# Altium PCB GE21_M1_pku_f100.PcbDoc (part 2 of 19) (continued)
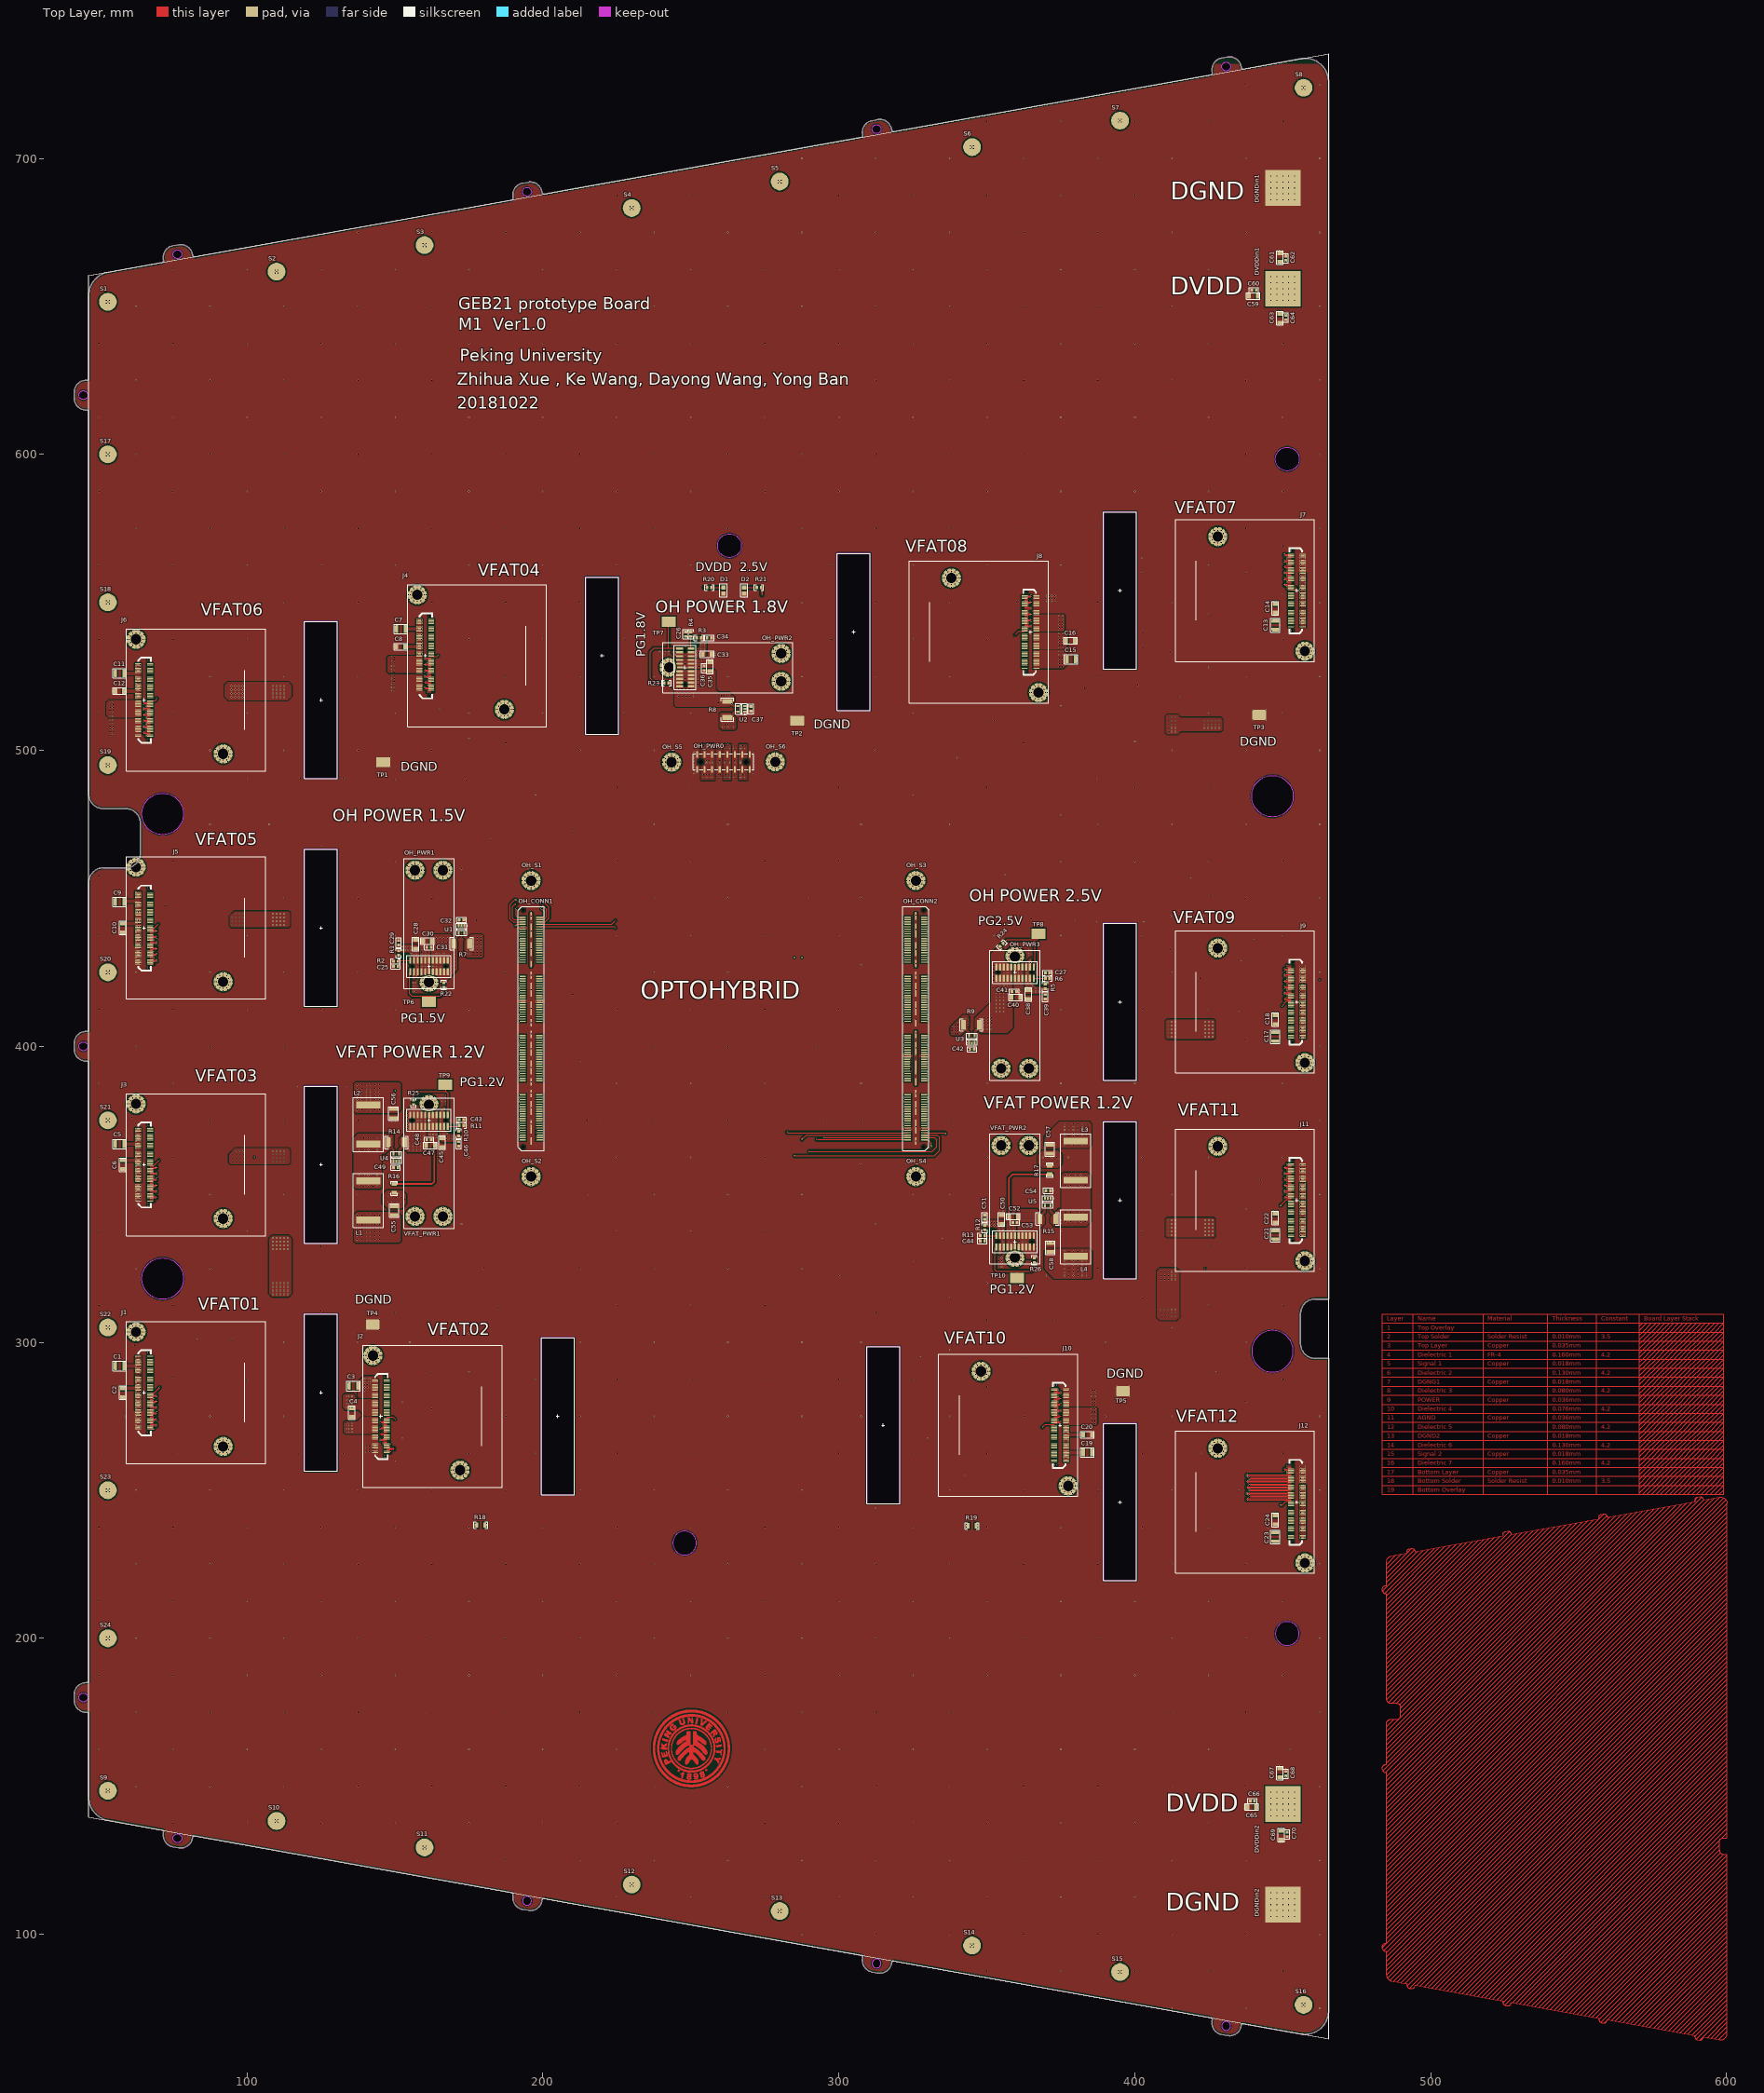
[diagram p0: Top Layer view]
## Nets (pads, with @x,y where several pads share a name; then routed paths per layer and width w, separated by ;. In a path a pad name is that pad's centre, name@x,y a point inside that pad or via, vN(x,y) a via of type N, cw(c..) or ccw(c..) an arc to the next point about the centre after c; other vN are vias at no path point) (continued)
  other v4: 68.57,270.7
  other v6: 192,368.4
J1CLK_P: J1.98 OH_CONN1.158 | length 234.6
  Top Layer w0.115: v4@68.379,271.25 ccw(c68.379,271.421) v5(68.5,271.3)
  Top Layer w0.25: J1.98@67.25,271.25 v4@68.379,271.25
  Signal 1 w0.115: v5(68.5,271.3) ccw(c68.802,271.602) 68.802,271.175 75.628,271.175 ccw(c75.628,273.715) 77.424,271.919 117.659,312.154 cw(c119.702,310.11) 119.702,313 158.596,313 ccw(c158.596,313.208) 158.804,313.208 158.804,313.699 cw(c159.362,313.699) 159.362,314.257 159.554,314.257 cw(c159.554,313.699) 160.112,313.699 160.112,311.951 ccw(c160.32,311.951) 160.32,311.743 160.512,311.743 ccw(c160.512,311.951) 160.72,311.951 160.72,313.699 cw(c161.278,313.699) 161.278,314.257 161.47,314.257 cw(c161.47,313.699) 162.028,313.699 162.028,311.951 ccw(c162.236,311.951) 162.236,311.743 162.428,311.743 ccw(c162.428,311.951) 162.636,311.951 162.636,313.699 cw(c163.194,313.699) 163.194,314.257 163.386,314.257 cw(c163.386,313.699) 163.944,313.699 163.944,311.951 ccw(c164.152,311.951) 164.152,311.743 164.344,311.743 ccw(c164.344,311.951) 164.552,311.951 164.552,313.699 cw(c165.11,313.699) 165.11,314.257 165.302,314.257 cw(c165.302,313.699) 165.86,313.699 165.86,311.951 ccw(c166.068,311.951) 166.068,311.743 166.26,311.743 ccw(c166.26,311.951) 166.468,311.951 166.468,313.699 cw(c167.026,313.699) 167.026,314.257 167.218,314.257 cw(c167.218,313.699) 167.776,313.699 167.776,311.951 ccw(c167.984,311.951) 167.984,311.743 168.176,311.743 ccw(c168.176,311.951) 168.384,311.951 168.384,313.699 cw(c168.942,313.699) 168.942,314.257 169.134,314.257 cw(c169.134,313.699) 169.692,313.699 169.692,311.951 ccw(c169.9,311.951) 169.9,311.743 170.092,311.743 ccw(c170.092,311.951) 170.3,311.951 170.3,313.699 cw(c170.858,313.699) 170.858,314.257 171.05,314.257 cw(c171.05,313.699) 171.608,313.699 171.608,311.951 ccw(c171.816,311.951) 171.816,311.743 172.008,311.743 ccw(c172.008,311.951) 172.216,311.951 172.216,313.699 cw(c172.774,313.699) 172.774,314.257 172.966,314.257 cw(c172.966,313.699) 173.524,313.699 173.524,311.951 ccw(c173.732,311.951) 173.732,311.743 173.924,311.743 ccw(c173.924,311.951) 174.132,311.951 174.132,313.699 cw(c174.69,313.699) 174.69,314.257 174.882,314.257 cw(c174.882,313.699) 175.44,313.699 175.44,311.951 ccw(c175.648,311.951) 175.648,311.743 175.84,311.743 ccw(c175.84,311.951) 176.048,311.951 176.048,312.442 cw(c176.606,312.442) 176.606,313 181.11,313 ccw(c181.11,315.54) 183.65,315.54 183.65,366.085 cw(c186.54,366.085) 186.54,368.975 191.457,368.975 ccw(c191.457,369.743) v6@192,369.2
  other v4: 68.57,271.3
  other v6: 192,369.2
J1D1_N: J1.60 OH_CONN1.120 | length 208.8
  Top Layer w0.115: v4@68.379,280.75 cw(c68.379,280.579) v5(68.5,280.7)
  Top Layer w0.25: J1.60@67.25,280.75 v4@68.379,280.75
  Signal 2 w0.115: v5(68.5,280.7) cw(c68.802,280.398) 68.802,280.825 70.628,280.825 ccw(c70.628,283.715) 72.671,281.671 85.154,294.154 ; 85.154,294.154 ccw(c83.11,296.197) 86,296.197 86,317.448 cw(c88.54,317.448) 86.744,319.244 95.256,327.756 cw(c97.052,325.96) 97.052,328.5 166.803,328.5 ccw(c166.803,331.39) 168.846,329.346 ; 168.846,329.346 181.154,341.654 ccw(c179.11,343.697) 182,343.697 182,386.085 cw(c184.54,386.085) 184.54,388.625 189.875,388.625 ; 189.6,388.625 191.457,388.625 cw(c191.457,387.857) v6(192,388.4)
  other v4: 68.57,280.7
J1D1_P: J1.58 OH_CONN1.118 | length 208.8
  Top Layer w0.115: v4@68.379,281.25 ccw(c68.379,281.421) v5(68.5,281.3)
  Top Layer w0.25: J1.58@67.25,281.25 v4@68.379,281.25
  Signal 2 w0.115: v5(68.5,281.3) ccw(c68.802,281.602) 68.802,281.175 70.628,281.175 ccw(c70.628,283.715) 72.424,281.919 84.906,294.401 ccw(c83.11,296.197) 85.65,296.197 85.65,317.448 cw(c88.54,317.448) 86.496,319.491 95.009,328.004 cw(c97.052,325.96) 97.052,328.85 166.803,328.85 ccw(c166.803,331.39) 168.599,329.594 180.906,341.901 ccw(c179.11,343.697) 181.65,343.697 181.65,386.085 cw(c184.54,386.085) 184.54,388.975 189.875,388.975 ; 189.6,388.975 191.457,388.975 ccw(c191.457,389.743) v6(192,389.2)
  other v4: 68.57,281.3
J1D2_N: J1.64 OH_CONN1.124 | length 203.6
  Top Layer w0.115: J1.64@67.25,279.75 68.3,279.75 68.375,279.825 69.198,279.825 cw(c69.198,279.398) v5(69.5,279.7)
  Signal 2 w0.115: v5(69.5,279.7) cw(c69.802,279.398) 69.802,279.825 71.128,279.825 ccw(c71.128,282.715) 73.171,280.671 86.154,293.654 ; 86.154,293.654 ccw(c84.11,295.697) 87,295.697 87,316.948 cw(c89.54,316.948) 87.744,318.744 95.756,326.756 cw(c97.552,324.96) 97.552,327.5 167.298,327.5 ccw(c167.298,330.39) 169.341,328.346 ; 169.341,328.346 182.154,341.159 ccw(c180.11,343.202) 183,343.202 183,380.485 cw(c185.54,380.485) 185.54,383.025 191.457,383.025 cw(c191.457,382.257) v6(192,382.8)
  other v4: 69.43,279.7 69.57,279.7
J1D2_P: J1.62 OH_CONN1.122 | length 203.6
  Top Layer w0.115: J1.62@67.25,280.25 68.3,280.25 68.375,280.175 69.198,280.175 ccw(c69.198,280.602) v5(69.5,280.3)
  Signal 2 w0.115: v5(69.5,280.3) ccw(c69.802,280.602) 69.802,280.175 71.128,280.175 ccw(c71.128,282.715) 72.924,280.919 85.906,293.901 ccw(c84.11,295.697) 86.65,295.697 86.65,316.948 cw(c89.54,316.948) 87.496,318.991 95.509,327.004 cw(c97.552,324.96) 97.552,327.85 167.298,327.85 ccw(c167.298,330.39) 169.094,328.594 181.906,341.406 ccw(c180.11,343.202) 182.65,343.202 182.65,380.485 cw(c185.54,380.485) 185.54,383.375 191.457,383.375 ccw(c191.457,384.143) v6(192,383.6)
  other v4: 69.43,280.3 69.57,280.3
J1D3_N: J1.68 OH_CONN1.128 | length 202.7
  Top Layer w0.115: v4@68.379,278.75 cw(c68.379,278.579) v5(68.5,278.7)
  Top Layer w0.25: J1.68@67.25,278.75 v4@68.379,278.75
  Signal 2 w0.115: v5(68.5,278.7) cw(c68.802,278.398) 68.802,278.825 71.628,278.825 ccw(c71.628,281.715) 73.671,279.671 87.154,293.154 ccw(c85.11,295.197) 88,295.197 88,316.448 cw(c90.54,316.448) 88.744,318.244 96.256,325.756 cw(c98.052,323.96) 98.052,326.5 167.798,326.5 ccw(c167.798,329.39) 169.841,327.346 ; 169.841,327.346 183.154,340.659 ccw(c181.11,342.702) 184,342.702 184,378.885 cw(c186.54,378.885) 186.54,381.425 191.457,381.425 cw(c191.457,380.657) v6@192,381.2
  other v4: 68.57,278.7
  other v6: 192,381.2
J1D3_P: J1.66 OH_CONN1.126 | length 202.7
  Top Layer w0.115: v4@68.379,279.25 ccw(c68.379,279.421) v5(68.5,279.3)
  Top Layer w0.25: J1.66@67.25,279.25 v4@68.379,279.25
  Signal 2 w0.115: v5(68.5,279.3) ccw(c68.802,279.602) 68.802,279.175 71.628,279.175 ccw(c71.628,281.715) 73.424,279.919 86.906,293.401 ccw(c85.11,295.197) 87.65,295.197 87.65,316.448 cw(c90.54,316.448) 88.496,318.491 96.009,326.004 cw(c98.052,323.96) 98.052,326.85 167.798,326.85 ccw(c167.798,329.39) 169.594,327.594 182.906,340.906 ccw(c181.11,342.702) 183.65,342.702 183.65,378.885 cw(c186.54,378.885) 186.54,381.775 191.457,381.775 ccw(c191.457,382.543) v6@192,382
  other v4: 68.57,279.3
  other v6: 192,382
J1D4_N: J1.72 OH_CONN1.132 | length 201.9
  Top Layer w0.115: J1.72@67.25,277.75 68.3,277.75 68.375,277.825 69.198,277.825 cw(c69.198,277.398) v5(69.5,277.7)
  Signal 2 w0.115: v5(69.5,277.7) cw(c69.802,277.398) 69.802,277.825 72.128,277.825 ccw(c72.128,280.715) 74.171,278.671 88.154,292.654 ; 88.154,292.654 ccw(c86.11,294.697) 89,294.697 89,315.948 cw(c91.54,315.948) 89.744,317.744 96.756,324.756 cw(c98.552,322.96) 98.552,325.5 168.298,325.5 ccw(c168.298,328.39) 170.341,326.346 ; 170.341,326.346 184.154,340.159 ccw(c182.11,342.202) 185,342.202 185,377.285 cw(c187.54,377.285) 187.54,379.825 191.457,379.825 cw(c191.457,379.057) v6@192,379.6
  other v4: 69.43,277.7 69.57,277.7
  other v6: 192,379.6
J1D4_P: J1.70 OH_CONN1.130 | length 201.9
  Top Layer w0.115: J1.70@67.25,278.25 68.3,278.25 68.375,278.175 69.198,278.175 ccw(c69.198,278.602) v5(69.5,278.3)
  Signal 2 w0.115: v5(69.5,278.3) ccw(c69.802,278.602) 69.802,278.175 72.128,278.175 ccw(c72.128,280.715) 73.924,278.919 87.906,292.901 ccw(c86.11,294.697) 88.65,294.697 88.65,315.948 cw(c91.54,315.948) 89.496,317.991 96.509,325.004 cw(c98.552,322.96) 98.552,325.85 168.298,325.85 ccw(c168.298,328.39) 170.094,326.594 183.906,340.406 ccw(c182.11,342.202) 184.65,342.202 184.65,377.285 cw(c187.54,377.285) 187.54,380.175 191.457,380.175 ccw(c191.457,380.943) 191.459,380.175 ccw(c191.457,380.943) v6@192,380.4
  other v4: 69.43,278.3 69.57,278.3
  other v6: 192,380.4
J1D5_N: J1.76 OH_CONN1.136 | length 200.9
  Top Layer w0.115: v4@68.379,276.75 cw(c68.379,276.579) v5(68.5,276.7)
  Top Layer w0.25: J1.76@67.25,276.75 v4@68.379,276.75
  Signal 2 w0.115: v5(68.5,276.7) cw(c68.802,276.398) 68.802,276.825 72.628,276.825 ccw(c72.628,279.715) 74.671,277.671 89.154,292.154 ; 89.154,292.154 ccw(c87.11,294.197) 90,294.197 90,315.448 cw(c92.54,315.448) 90.744,317.244 97.256,323.756 cw(c99.052,321.96) 99.052,324.5 168.798,324.5 ccw(c168.798,327.39) 170.841,325.346 ; 170.841,325.346 185.154,339.659 ccw(c183.11,341.702) 186,341.702 186,375.685 cw(c188.54,375.685) 188.54,378.225 191.457,378.225 cw(c191.457,377.457) v6@192,378
  other v4: 68.57,276.7
  other v6: 192,378
J1D5_P: J1.74 OH_CONN1.134 | length 200.9
  Top Layer w0.115: v4@68.379,277.25 ccw(c68.379,277.421) v5(68.5,277.3)
  Top Layer w0.25: J1.74@67.25,277.25 v4@68.379,277.25
  Signal 2 w0.115: v5(68.5,277.3) ccw(c68.802,277.602) 68.802,277.175 72.628,277.175 ccw(c72.628,279.715) 74.424,277.919 88.906,292.401 ccw(c87.11,294.197) 89.65,294.197 89.65,315.448 cw(c92.54,315.448) 90.496,317.491 97.009,324.004 cw(c99.052,321.96) 99.052,324.85 168.798,324.85 ccw(c168.798,327.39) 170.594,325.594 184.906,339.906 ccw(c183.11,341.702) 185.65,341.702 185.65,375.685 cw(c188.54,375.685) 188.54,378.575 191.457,378.575 ccw(c191.457,379.343) v6@192,378.8
  other v4: 68.57,277.3
  other v6: 192,378.8
J1D6_N: J1.80 OH_CONN1.140 | length 200.1
  Top Layer w0.115: J1.80@67.25,275.75 68.3,275.75 68.375,275.825 69.198,275.825 cw(c69.198,275.398) v5(69.5,275.7)
  Signal 2 w0.115: v5(69.5,275.7) cw(c69.802,275.398) 69.802,275.825 73.128,275.825 ccw(c73.128,278.715) 75.171,276.671 90.154,291.654 ; 90.154,291.654 ccw(c88.11,293.697) 91,293.697 91,314.948 cw(c93.54,314.948) 91.744,316.744 97.756,322.756 cw(c99.552,320.96) 99.552,323.5 169.298,323.5 ccw(c169.298,326.39) 171.341,324.346 ; 171.341,324.346 186.154,339.159 ccw(c184.11,341.202) 187,341.202 187,374.085 cw(c189.54,374.085) 189.54,376.625 191.457,376.625 cw(c191.457,375.857) v6(192,376.4)
  other v4: 69.43,275.7 69.57,275.7
J1D6_P: J1.78 OH_CONN1.138 | length 200.1
  Top Layer w0.115: J1.78@67.25,276.25 68.3,276.25 68.375,276.175 69.198,276.175 ccw(c69.198,276.602) v5(69.5,276.3)
  Signal 2 w0.115: v5(69.5,276.3) ccw(c69.802,276.602) 69.802,276.175 73.128,276.175 ccw(c73.128,278.715) 74.924,276.919 89.906,291.901 ccw(c88.11,293.697) 90.65,293.697 90.65,314.948 cw(c93.54,314.948) 91.496,316.991 97.509,323.004 cw(c99.552,320.96) 99.552,323.85 169.298,323.85 ccw(c169.298,326.39) 171.094,324.594 185.906,339.406 ccw(c184.11,341.202) 186.65,341.202 186.65,374.085 cw(c189.54,374.085) 189.54,376.975 191.457,376.975 ccw(c191.457,377.743) v6(192,377.2)
  other v4: 69.43,276.3 69.57,276.3
J1D7_N: J1.84 OH_CONN1.144 | length 199.1
  Top Layer w0.115: v4@68.379,274.75 cw(c68.379,274.579) v5(68.5,274.7)
  Top Layer w0.25: J1.84@67.25,274.75 v4@68.379,274.75
  Signal 2 w0.115: v5(68.5,274.7) cw(c68.802,274.398) 68.802,274.825 73.628,274.825 ccw(c73.628,277.715) 75.671,275.671 91.154,291.154 ; 91.154,291.154 ccw(c89.11,293.197) 92,293.197 92,314.448 cw(c94.54,314.448) 92.744,316.244 98.256,321.756 cw(c100.052,319.96) 100.052,322.5 169.798,322.5 ccw(c169.798,325.39) 171.841,323.346 ; 171.841,323.346 187.154,338.659 ccw(c185.11,340.702) 188,340.702 188,372.485 cw(c190.54,372.485) 190.54,375.025 191.457,375.025 cw(c191.457,374.257) v6@192,374.8
  other v4: 68.57,274.7
  other v6: 192,374.8
J1D7_P: J1.82 OH_CONN1.142 | length 199.1
  Top Layer w0.115: v4@68.379,275.25 ccw(c68.379,275.421) v5(68.5,275.3)
  Top Layer w0.25: J1.82@67.25,275.25 v4@68.379,275.25
  Signal 2 w0.115: v5(68.5,275.3) ccw(c68.802,275.602) 68.802,275.175 73.628,275.175 ccw(c73.628,277.715) 75.424,275.919 90.906,291.401 ccw(c89.11,293.197) 91.65,293.197 91.65,314.448 cw(c94.54,314.448) 92.496,316.491 98.009,322.004 cw(c100.052,319.96) 100.052,322.85 169.798,322.85 ccw(c169.798,325.39) 171.594,323.594 186.906,338.906 ccw(c185.11,340.702) 187.65,340.702 187.65,372.485 cw(c190.54,372.485) 190.54,375.375 191.457,375.375 ccw(c191.457,376.143) v6@192,375.6
  other v4: 68.57,275.3
  other v6: 192,375.6
J1D8_N: J1.88 OH_CONN1.148 | length 198.5
  Top Layer w0.115: J1.88@67.25,273.75 68.3,273.75 68.375,273.825 69.198,273.825 cw(c69.198,273.398) v5(69.5,273.7)
  Signal 2 w0.115: v5(69.5,273.7) cw(c69.802,273.398) 69.802,273.825 74.128,273.825 ccw(c74.128,276.715) 76.171,274.671 92.154,290.654 ; 92.154,290.654 ccw(c90.11,292.697) 93,292.697 93,313.948 cw(c95.54,313.948) 93.744,315.744 98.756,320.756 cw(c100.552,318.96) 100.552,321.5 170.298,321.5 ccw(c170.298,324.39) 172.341,322.346 ; 172.341,322.346 188.154,338.159 ccw(c186.11,340.202) 189,340.202 189,371.425 cw(c191,371.425) 191,373.425 191.457,373.425 cw(c191.457,372.657) v6(192,373.2)
  other v4: 69.43,273.7 69.57,273.7
J1D8_P: J1.86 OH_CONN1.146 | length 198.5
  Top Layer w0.115: J1.86@67.25,274.25 68.3,274.25 68.375,274.175 69.198,274.175 ccw(c69.198,274.602) v5(69.5,274.3)
  Signal 2 w0.115: v5(69.5,274.3) ccw(c69.802,274.602) 69.802,274.175 74.128,274.175 ccw(c74.128,276.715) 75.924,274.919 91.906,290.901 ccw(c90.11,292.697) 92.65,292.697 92.65,313.948 cw(c95.54,313.948) 93.496,315.991 98.509,321.004 cw(c100.552,318.96) 100.552,321.85 170.298,321.85 ccw(c170.298,324.39) 172.094,322.594 187.906,338.406 ccw(c186.11,340.202) 188.65,340.202 188.65,371.425 cw(c191,371.425) 191,373.775 191.457,373.775 ccw(c191.457,374.543) v6@192,374
  other v4: 69.43,274.3 69.57,274.3
  other v6: 192,374
J1Reset: J1.52 OH_CONN1.6 | length 348.1
  Top Layer w0.2: J1.52@67.25,282.75 68.5,282.75 v1(70.5,284.75) ; v1(191,449.5) 190.5,449.5 189,448 189,443 190,442 OH_CONN1.6@193.135,442
  Signal 1 w0.2: v1(70.5,284.75) 70.5,305 60.75,314.75 60.75,371.75 67.5,378.5 67.5,401.25 60.5,408.25 60.5,442.5 62,444 76.75,444 78.25,445.5 78.25,468 81.25,471 169.5,471 v1(191,449.5)
J1RXD_N: J1.96 OH_CONN1.156 | length 234.6
  Top Layer w0.115: J1.96@67.25,271.75 68.3,271.75 68.375,271.825 69.198,271.825 cw(c69.198,271.398) v5(69.5,271.7)
  Signal 1 w0.115: v5(69.5,271.7) cw(c69.802,271.398) 69.802,271.825 75.128,271.825 ccw(c75.128,274.715) 77.171,272.671 120.906,316.406 cw(c122.702,314.61) 122.702,317.15 131.096,317.15 ccw(c131.096,317.708) 131.654,317.708 131.654,318.464 cw(c131.862,318.464) 131.862,318.672 132.054,318.672 cw(c132.054,318.464) 132.262,318.464 132.262,316.186 ccw(c132.82,316.186) 132.82,315.628 133.012,315.628 ccw(c133.012,316.186) 133.57,316.186 133.57,318.464 cw(c133.778,318.464) 133.778,318.672 133.97,318.672 cw(c133.97,318.464) 134.178,318.464 134.178,316.186 ccw(c134.736,316.186) 134.736,315.628 134.928,315.628 ccw(c134.928,316.186) 135.486,316.186 135.486,318.464 cw(c135.694,318.464) 135.694,318.672 135.886,318.672 cw(c135.886,318.464) 136.094,318.464 136.094,316.186 ccw(c136.652,316.186) 136.652,315.628 136.844,315.628 ccw(c136.844,316.186) 137.402,316.186 137.402,318.464 cw(c137.61,318.464) 137.61,318.672 137.802,318.672 cw(c137.802,318.464) 138.01,318.464 138.01,316.186 ccw(c138.568,316.186) 138.568,315.628 138.76,315.628 ccw(c138.76,316.186) 139.318,316.186 139.318,318.464 cw(c139.526,318.464) 139.526,318.672 139.718,318.672 cw(c139.718,318.464) 139.926,318.464 139.926,316.186 ccw(c140.484,316.186) 140.484,315.628 140.676,315.628 ccw(c140.676,316.186) 141.234,316.186 141.234,318.464 cw(c141.442,318.464) 141.442,318.672 141.634,318.672 cw(c141.634,318.464) 141.842,318.464 141.842,316.186 ccw(c142.4,316.186) 142.4,315.628 142.592,315.628 ccw(c142.592,316.186) 143.15,316.186 143.15,318.464 cw(c143.358,318.464) 143.358,318.672 143.55,318.672 cw(c143.55,318.464) 143.758,318.464 143.758,316.186 ccw(c144.316,316.186) 144.316,315.628 144.508,315.628 ccw(c144.508,316.186) 145.066,316.186 145.066,318.464 cw(c145.274,318.464) 145.274,318.672 145.466,318.672 cw(c145.466,318.464) 145.674,318.464 145.674,317.708 ccw(c146.232,317.708) 146.232,317.15 180.11,317.15 ccw(c180.11,320.04) 183,320.04 183,367.685 cw(c185.54,367.685) 185.54,370.225 191.457,370.225 ; 191.457,370.225 cw(c191.457,369.457) 191.459,370.225 cw(c191.457,369.457) v6@192,370
  other v4: 69.43,271.7 69.57,271.7
  other v6: 192,370
J1RXD_P: J1.94 OH_CONN1.154 | length 234.6
  Top Layer w0.115: J1.94@67.25,272.25 68.3,272.25 68.375,272.175 69.198,272.175 ccw(c69.198,272.602) v5(69.5,272.3)
  Signal 1 w0.115: v5(69.5,272.3) ccw(c69.802,272.602) 69.802,272.175 75.128,272.175 ccw(c75.128,274.715) 76.924,272.919 120.659,316.654 cw(c122.702,314.61) 122.702,317.5 131.096,317.5 ccw(c131.096,317.708) 131.304,317.708 131.304,318.464 cw(c131.862,318.464) 131.862,319.022 132.054,319.022 cw(c132.054,318.464) 132.612,318.464 132.612,316.186 ccw(c132.82,316.186) 132.82,315.978 133.012,315.978 ccw(c133.012,316.186) 133.22,316.186 133.22,318.464 cw(c133.778,318.464) 133.778,319.022 133.97,319.022 cw(c133.97,318.464) 134.528,318.464 134.528,316.186 ccw(c134.736,316.186) 134.736,315.978 134.928,315.978 ccw(c134.928,316.186) 135.136,316.186 135.136,318.464 cw(c135.694,318.464) 135.694,319.022 135.886,319.022 cw(c135.886,318.464) 136.444,318.464 136.444,316.186 ccw(c136.652,316.186) 136.652,315.978 136.844,315.978 ccw(c136.844,316.186) 137.052,316.186 137.052,318.464 cw(c137.61,318.464) 137.61,319.022 137.802,319.022 cw(c137.802,318.464) 138.36,318.464 138.36,316.186 ccw(c138.568,316.186) 138.568,315.978 138.76,315.978 ccw(c138.76,316.186) 138.968,316.186 138.968,318.464 cw(c139.526,318.464) 139.526,319.022 139.718,319.022 cw(c139.718,318.464) 140.276,318.464 140.276,316.186 ccw(c140.484,316.186) 140.484,315.978 140.676,315.978 ccw(c140.676,316.186) 140.884,316.186 140.884,318.464 cw(c141.442,318.464) 141.442,319.022 141.634,319.022 cw(c141.634,318.464) 142.192,318.464 142.192,316.186 ccw(c142.4,316.186) 142.4,315.978 142.592,315.978 ccw(c142.592,316.186) 142.8,316.186 142.8,318.464 cw(c143.358,318.464) 143.358,319.022 143.55,319.022 cw(c143.55,318.464) 144.108,318.464 144.108,316.186 ccw(c144.316,316.186) 144.316,315.978 144.508,315.978 ccw(c144.508,316.186) 144.716,316.186 144.716,318.464 cw(c145.274,318.464) 145.274,319.022 145.466,319.022 cw(c145.466,318.464) 146.024,318.464 146.024,317.708 ccw(c146.232,317.708) 146.232,317.5 180.11,317.5 ccw(c180.11,320.04) 182.65,320.04 182.65,367.685 cw(c185.54,367.685) 185.54,370.575 191.457,370.575 ; 191.457,370.575 ccw(c191.457,371.343) v6@192,370.8
  other v4: 69.43,272.3 69.57,272.3
  other v6: 192,370.8
J1Strobe_N: J1.56 OH_CONN1.116 | length 209.4
  Top Layer w0.115: J1.56@67.25,281.75 68.3,281.75 68.375,281.825 69.198,281.825 cw(c69.198,281.398) v5(69.5,281.7)
  Signal 2 w0.115: v5(69.5,281.7) cw(c69.802,281.398) 69.802,281.825 70.128,281.825 ccw(c70.128,284.715) 70.145,281.825 ccw(c70.128,284.715) 72.171,282.671 84.154,294.654 ccw(c82.11,296.697) 85,296.697 85,317.948 cw(c87.54,317.948) 85.744,319.744 94.756,328.756 cw(c96.552,326.96) 96.552,329.5 166.298,329.5 ccw(c166.298,332.39) 168.341,330.346 180.154,342.159 ccw(c178.11,344.202) 181,344.202 181,387.685 cw(c183.54,387.685) 183.54,390.225 191.457,390.225 cw(c191.457,389.457) v6(192,390)
  other v4: 69.43,281.7 69.57,281.7
J1Strobe_P: J1.54 OH_CONN1.114 | length 209.4
  Top Layer w0.115: J1.54@67.25,282.25 68.3,282.25 68.375,282.175 69.198,282.175 ccw(c69.198,282.602) v5(69.5,282.3)
  Signal 2 w0.115: v5(69.5,282.3) ccw(c69.802,282.602) 69.802,282.175 70.128,282.175 ccw(c70.128,284.715) 71.924,282.919 83.906,294.901 ccw(c82.11,296.697) 84.65,296.697 84.65,317.948 cw(c87.54,317.948) 85.496,319.991 94.509,329.004 cw(c96.552,326.96) 96.552,329.85 166.298,329.85 ccw(c166.298,332.39) 168.094,330.594 179.906,342.406 ccw(c178.11,344.202) 180.65,344.202 180.65,387.685 cw(c183.54,387.685) 183.54,390.575 191.457,390.575 ccw(c191.457,391.343) v6(192,390.8)
  other v4: 69.43,282.3 69.57,282.3
J1TXD_N: J1.92 OH_CONN1.152 | length 192.7
  Top Layer w0.115: v4@68.379,272.75 cw(c68.379,272.579) v5(68.5,272.7)
  Top Layer w0.25: J1.92@67.25,272.75 v4@68.379,272.75
  Signal 1 w0.115: v5(68.5,272.7) cw(c68.802,272.398) 68.802,272.825 74.628,272.825 ccw(c74.628,275.715) 76.671,273.671 123.906,320.906 cw(c125.702,319.11) 125.702,321.65 179.11,321.65 ccw(c179.11,324.54) 182,324.54 182,369.285 cw(c184.54,369.285) 184.54,371.825 191.457,371.825 cw(c191.457,371.057) v6@192,371.6
  other v4: 68.57,272.7
  other v6: 192,371.6
J1TXD_P: J1.90 OH_CONN1.150 | length 192.7
  Top Layer w0.115: v4@68.379,273.25 ccw(c68.379,273.421) v5(68.5,273.3)
  Top Layer w0.25: J1.90@67.25,273.25 v4@68.379,273.25
  Signal 1 w0.115: v5(68.5,273.3) ccw(c68.802,273.602) 68.802,273.175 74.628,273.175 ccw(c74.628,275.715) 76.424,273.919 123.659,321.154 cw(c125.702,319.11) 125.702,322 179.11,322 ccw(c179.11,324.54) 181.65,324.54 181.65,369.285 cw(c184.54,369.285) 184.54,372.175 191.457,372.175 ccw(c191.457,372.943) v6@192,372.4
  other v4: 68.57,273.3
  other v6: 192,372.4
J2CLK_N: J2.100 OH_CONN1.159 | length 234.6
  Top Layer w0.115: v4@148.45,262.75 v5(148.5,262.7)
  Top Layer w0.25: J2.100@147.25,262.75 v4@148.45,262.75
  Signal 1 w0.115: v5(148.5,262.7) cw(c148.802,262.398) 148.802,262.825 154.128,262.825 ccw(c154.128,265.715) 156.171,263.671 202.504,310.004 ccw(c200.46,312.047) 203.35,312.047 203.35,317.15 ccw(c202.792,317.15) 202.792,317.708 202.047,317.708 cw(c202.047,317.916) 201.839,317.916 201.839,318.108 cw(c202.047,318.108) 202.047,318.316 204.303,318.316 ccw(c204.303,318.874) 204.861,318.874 204.861,319.066 ccw(c204.303,319.066) 204.303,319.624 202.047,319.624 cw(c202.047,319.832) 201.839,319.832 201.839,320.024 cw(c202.047,320.024) 202.047,320.232 204.303,320.232 ccw(c204.303,320.79) 204.861,320.79 204.861,320.982 ccw(c204.303,320.982) 204.303,321.54 202.047,321.54 cw(c202.047,321.748) 201.839,321.748 201.839,321.94 cw(c202.047,321.94) 202.047,322.148 204.303,322.148 ccw(c204.303,322.706) 204.861,322.706 204.861,322.898 ccw(c204.303,322.898) 204.303,323.456 202.047,323.456 cw(c202.047,323.664) 201.839,323.664 201.839,323.856 cw(c202.047,323.856) 202.047,324.064 204.303,324.064 ccw(c204.303,324.622) 204.861,324.622 204.861,324.814 ccw(c204.303,324.814) 204.303,325.372 202.047,325.372 cw(c202.047,325.58) 201.839,325.58 201.839,325.772 cw(c202.047,325.772) 202.047,325.98 204.303,325.98 ccw(c204.303,326.538) 204.861,326.538 204.861,326.73 ccw(c204.303,326.73) 204.303,327.288 202.047,327.288 cw(c202.047,327.496) 201.839,327.496 201.839,327.688 cw(c202.047,327.688) 202.047,327.896 204.303,327.896 ccw(c204.303,328.454) 204.861,328.454 204.861,328.646 ccw(c204.303,328.646) 204.303,329.204 202.047,329.204 cw(c202.047,329.412) 201.839,329.412 201.839,329.604 cw(c202.047,329.604) 202.047,329.812 204.303,329.812 ccw(c204.303,330.37) 204.861,330.37 204.861,330.562 ccw(c204.303,330.562) 204.303,331.12 202.047,331.12 cw(c202.047,331.328) 201.839,331.328 201.839,331.52 cw(c202.047,331.52) 202.047,331.728 204.303,331.728 ccw(c204.303,332.286) 204.861,332.286 204.861,332.478 ccw(c204.303,332.478) 204.303,333.036 202.047,333.036 cw(c202.047,333.244) 201.839,333.244 201.839,333.436 cw(c202.047,333.436) 202.047,333.644 204.303,333.644 ccw(c204.303,334.202) 204.861,334.202 204.861,334.394 ccw(c204.303,334.394) 204.303,334.952 202.047,334.952 cw(c202.047,335.16) 201.839,335.16 201.839,335.352 cw(c202.047,335.352) 202.047,335.56 204.303,335.56 ccw(c204.303,336.118) 204.861,336.118 204.861,336.31 ccw(c204.303,336.31) 204.303,336.868 202.047,336.868 cw(c202.047,337.076) 201.839,337.076 201.839,337.268 cw(c202.047,337.268) 202.047,337.476 204.303,337.476 ccw(c204.303,338.034) 204.861,338.034 204.861,338.226 ccw(c204.303,338.226) 204.303,338.784 202.047,338.784 cw(c202.047,338.992) 201.839,338.992 201.839,339.184 cw(c202.047,339.184) 202.047,339.392 204.303,339.392 ccw(c204.303,339.95) 204.861,339.95 204.861,340.142 ccw(c204.303,340.142) 204.303,340.7 202.047,340.7 cw(c202.047,340.908) 201.839,340.908 201.839,341.1 cw(c202.047,341.1) 202.047,341.308 204.303,341.308 ccw(c204.303,341.866) 204.861,341.866 204.861,342.058 ccw(c204.303,342.058) 204.303,342.616 202.047,342.616 cw(c202.047,342.824) 201.839,342.824 201.839,343.016 cw(c202.047,343.016) 202.047,343.224 204.303,343.224 ccw(c204.303,343.782) 204.861,343.782 204.861,343.974 ccw(c204.303,343.974) 204.303,344.532 202.047,344.532 cw(c202.047,344.74) 201.839,344.74 201.839,344.932 cw(c202.047,344.932) 202.047,345.14 204.303,345.14 ccw(c204.303,345.698) 204.861,345.698 204.861,345.89 ccw(c204.303,345.89) 204.303,346.448 202.047,346.448 cw(c202.047,346.656) 201.839,346.656 201.839,346.848 cw(c202.047,346.848) 202.047,347.056 204.303,347.056 ccw(c204.303,347.614) 204.861,347.614 204.861,347.806 ccw(c204.303,347.806) 204.303,348.364 202.047,348.364 cw(c202.047,348.572) 201.839,348.572 201.839,348.764 cw(c202.047,348.764) 202.047,348.972 204.303,348.972 ccw(c204.303,349.53) 204.861,349.53 204.861,349.722 ccw(c204.303,349.722) 204.303,350.28 202.047,350.28 cw(c202.047,350.488) 201.839,350.488 201.839,350.68 cw(c202.047,350.68) 202.047,350.888 204.303,350.888 ccw(c204.303,351.446) 204.861,351.446 204.861,351.638 ccw(c204.303,351.638) 204.303,352.196 203.558,352.196 cw(c203.558,352.404) 203.35,352.404 203.35,357.5 ccw(c201.781,357.5) 202.89,358.61 196.744,364.756 cw(c198.54,366.552) 196,366.552 196,368 cw(c196.625,368) 196.625,368.625 197.207,368.625 cw(c197.207,367.857) v6(197.75,368.4)
  other v4: 148.57,262.7